# KiCad board pedalboard-hw.kicad_pcb (continued)
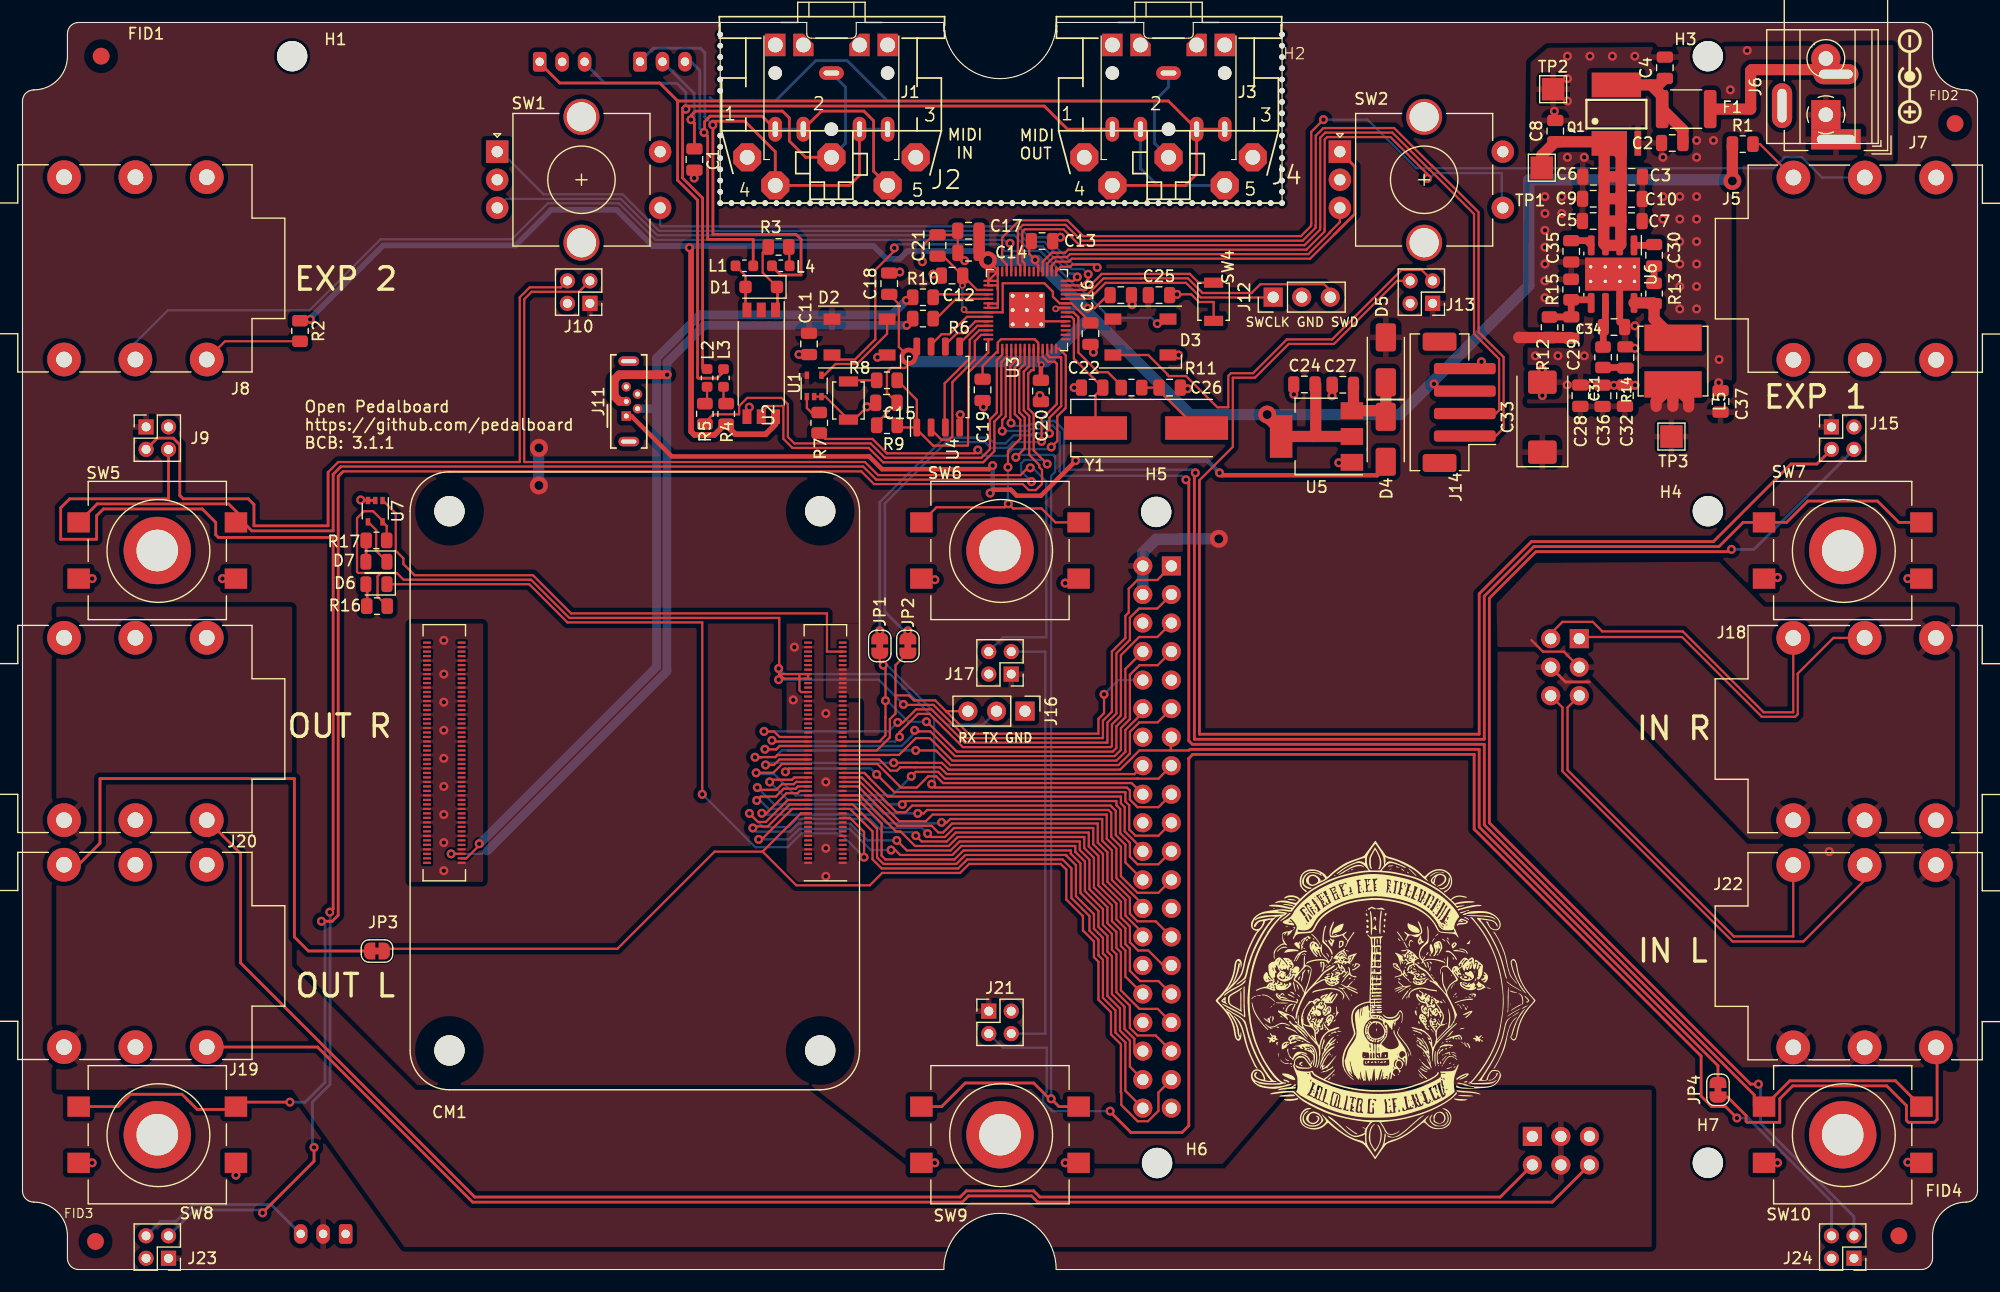
[diagram p0: board, top side]
## Routing (per net, layer and track width the routed paths; a pad name or vN(x,y) marks a point on that pad's centre or on a via; arc(x,y) is an arc through that point) (continued)
/Audio/in_L+: length 39.6
  Top w0.2: J27.45 137.51,50.03 137.51,44.46 152.32,29.65 157.6,29.65 J22.T
/Audio/in_L-: length 42.6
  Top w0.2: 163.95,34.65 158.5,29.2 152.2,29.2 137.06,44.34 137.06,50.03 J27.46
/Audio/in_R+: length 32
  Top w0.2: J18.T 157.6,49.6 154.97,49.6 147.77,56.8 140.6,56.8 139.75,57.65 137.06,57.65 136.01,56.61
/Audio/in_R-: length 33.3
  Top w0.2: 163.92,56.22 161.17,56.22 158,53.05 158,49.43 157.77,49.2 154.8,49.2 147.7,56.3 138.56,56.3
/Connectivity/USB2_N: length 78
  Top w0.2: CM1.103 39.5,36.6 40.65,37.75 v1(40.65,37.9)
  Bottom w0.77: 56.44,76.62 J11.2 ; 56.44,76.62 56.44,53.64 40.7,37.9 v1(40.65,37.9) ; 56.44,76.62 56.44,81.13 60.28,84.97 77.37,84.97 v1(78.66,86.26)
/Connectivity/USB2_P: length 84.6
  Top w0.2: CM1.105 v1(38.15,37)
  Top w0.77: J11.3 53.15,77.27 52.67,77.75 52.67,79.2 53.12,79.65 v1(57.38,79.65)
  Bottom w0.2: v1(38.15,37) 40.9,37 41.25,37.35
  Bottom w0.77: v1(78.7,84.05) 60.67,84.05 57.36,80.75 57.36,53.26 41.35,37.25
/LEDs/RGB_DATA: length 31.9
  Top w0.2: v1(85.03,72.95) 84.73,72.65 76.93,72.65 75.65,73.93 71.44,73.93 R7.1 ; U3.14 92.26,81.96 92.85,81.37 92.85,76.7 92.1,75.95 92.1,73.75 v1(91.56,73.21)
  Bottom w0.2: v1(85.03,72.95) 85.55,72.43 87.53,72.43 88.11,73.01 91.37,73.01 v1(91.56,73.21)
/MIDI/A_EXP1: length 93.3
  Top w0.2: v1(115.79,102.35) 114.7,101.26 114.7,93.12 114.69,93.11 114.69,92.89 113.78,91.98 94.41,91.98 93,93.39 88.73,93.39 87.19,91.85 87.19,89.86 87.6,89.45 U3.40
  Bottom w0.2: J5.R 160.16,97.2 158.36,99 156.83,99 155.85,98.02 124.04,98.02 119.71,102.35 v1(115.79,102.35)
/MIDI/A_EXP2: length 88.6
  Top w0.2: 88,91.35 U3.39
  Bottom w0.2: 88,91.35 87.66,91.35 87.36,91.65 56.33,91.65 53.08,94.9 46.76,94.9 43.56,91.7 31.87,91.7 25.54,85.37 12.93,85.37 10.05,82.49 J8.R
  vias: v1(87.89,91.35)
/MIDI/EXT_MIDI_RX: length 35.1
  Top w0.2: U3.3 87.6,81.26 87.11,80.78 87.11,76.1 86.5,75.48 86.5,72.85 85.5,71.85 76.6,71.85 75.32,73.13 68.53,73.13 67.72,73.94 67.72,76.86 66.32,76.86 65.75,76.29 U2.5
/MIDI/EXT_MIDI_TX: length 40.5
  Top w0.2: U3.2 87.2,81.43 86.72,80.95 86.72,76.27 86.1,75.65 86.1,73.02 85.33,72.25 76.76,72.25 75.48,73.53 68.7,73.53 68.12,74.11 68.12,77.03 67.57,77.58 64.5,77.58 63.78,76.86 63.78,76.12 61.47,76.12 60.6,75.25
/MIDI/I2C_SCL: length 81.5
  Top w0.2: U3.37 88.8,89.37 88.59,89.58 88.59,92.54 89.03,92.99 92.84,92.99 94.24,91.58 113.94,91.58 115.09,92.73 115.09,92.94 115.1,92.95 115.1,100.92 115.78,101.6 122.08,101.6 125.37,98.31 125.4,98.31 129.59,94.12 129.59,83.45 131.82,81.22 131.82,74.89 131.12,74.19 J14.1
/MIDI/I2C_SDA: length 78
  Top w0.2: J14.2 131.12,76.19 131.42,76.49 131.42,81.05 129.19,83.28 129.19,93.95 125.23,97.91 125.21,97.91 121.92,101.2 115.94,101.2 115.5,100.76 115.5,92.79 115.49,92.78 115.49,92.56 114.11,91.18 94.08,91.18 92.67,92.59 89.2,92.59 88.99,92.38 88.99,89.75 89.2,89.54 U3.36
/MIDI/QSPI_SCLK: length 4.7
  Top w0.2: 82.14,82.32 83.17,83.35 83.77,83.35 84.82,84.4 U3.52
/MIDI/QSPI_SD0: length 3.2
  Top w0.2: 83.41,82.42 84.98,84 U3.53
/MIDI/QSPI_SD1: length 13.2
  Top w0.2: 80.86,74.78 81.8,73.85 82.47,73.85 82.76,74.14 82.76,78.99 84.76,80.99 84.76,82.64 85.32,83.2 U3.55
/MIDI/QSPI_SD2: length 10.4
  Top w0.2: 82.07,75.31 82.07,78.87 84.31,81.1 84.31,82.76 85.15,83.6 U3.54
/MIDI/QSPI_SD3: length 6.1
  Top w0.2: 80.86,82.32 81.8,83.25 82.5,83.25 84.05,84.8 U3.51
/MIDI/QSPI_SS: length 21.8
  Top w0.2: R8.2 79.59,77.41 U4.1 78.05,74.95 ; 79.59,74.78 81.04,73.34 84.11,73.34 84.16,73.39 84.16,79.83 85.96,81.63 U3.56
/MIDI/ROT_GAIN_A: length 35.5
  Top w0.2: 116.79,92.16 114.6,89.98 93.4,89.98 93.13,89.71 91.94,89.71 91.6,89.37 U3.30
  Top w0.25: 116.79,92.16 118.57,93.95 118.57,98.17 SW2.A
/MIDI/ROT_GAIN_B: length 29.6
  Top w0.2: SW2.B 117.25,93.23 116.36,92.34 116.36,92.31 114.44,90.38 93.23,90.38 92.96,90.11 91.77,90.11 91.2,89.54 U3.31
/MIDI/ROT_VOL_A: length 59.8
  Top w0.2: v1(94.85,88.59) 94.85,88.17 94.29,87.6 U3.27
  Bottom w0.2: SW1.A 42.58,99.5 46.38,95.7 53.41,95.7 56.66,92.45 88.46,92.45 89.43,91.47 90.95,91.47 93.37,89.05 94.39,89.05 v1(94.85,88.59)
/MIDI/ROT_VOL_B: length 56
  Top w0.2: v1(93.88,88.35) 93.53,88 U3.28
  Bottom w0.2: SW1.B 43.05,95.3 53.25,95.3 56.5,92.05 88.29,92.05 89.27,91.07 90.78,91.07 93.2,88.65 93.58,88.65 v1(93.88,88.35)
/MIDI/SW_A: length 155.2
  Top w0.2: 28.27,70.78 28.54,71.04 74.66,71.04 75.79,69.91 89.03,69.91 89.56,69.38 90.19,69.38 90.74,69.93 90.74,71.17 90.5,71.41 90.5,71.61 89.6,72.51 89.6,75.98 89.11,76.47 89.11,79.92 89.6,80.41 U3.8
  Top w0.25: v1(23.8,14.9) 19.4,14.9 ; v1(26.61,31) 27.57,31 28.1,31.53 28.1,70.6 28.5,71 ; 18.75,14.25 15.55,14.25 14.2,15.6 9.6,15.6 8.5,14.5 SW8.1
  Bottom w0.25: v1(26.61,31) 26.93,30.68 26.93,16.67 25.16,14.9 v1(23.8,14.9)
/MIDI/SW_B: length 87.1
  Top w0.2: v1(88.41,72.3) 89.2,73.09 89.2,75.82 88.72,76.3 88.72,80.11 89.2,80.59 U3.7
  Top w0.25: SW9.1 81.8,14.5 83.9,16.6 90,16.6 91.47,15.12 v1(91.55,15.2) 92.25,14.5 SW9.1
  Bottom w0.2: v1(88.41,72.3) 88.62,72.51 91.75,72.51 91.9,72.36 91.9,71 91.55,70.65 v1(91.55,15.2)
/MIDI/SW_C: length 136.1
  Top w0.2: U3.4 88,81.1 87.52,80.61 87.52,75.93 87.2,75.62 v1(87.2,74.63)
  Top w0.25: SW10.1 166.7,16.8 157.3,16.8 SW10.1 ; 154.12,14.5 154.12,15.55 130.1,39.57 130.1,46.75 104.11,46.75 103.8,47.06 103.8,70.05 v1(103.55,70.3)
  Bottom w0.2: v1(103.55,70.3) 103.2,70.65 92.7,70.65 92.3,71.05 92.3,74.52 91.69,75.13 91.11,75.13 90.81,74.83 89.76,74.83 89.59,74.65 87.22,74.65 v1(87.2,74.63)
/MIDI/SW_D: length 109.1
  Top w0.2: U3.9 90,80.05 89.81,80.05 89.52,79.76 89.52,76.63 90,76.15 90,72.9 v1(91.2,71.7) ; v1(89.8,70.13) 89.62,70.31 75.98,70.31 74.82,71.47 28.34,71.47 27.65,70.79
  Top w0.25: 19.4,67.1 18.35,68.15 6.65,68.15 SW5.1 ; 19.33,66.83 20.41,65.75 27.65,65.75 27.65,70.79 28.31,71.45
  Bottom w0.2: v1(89.8,70.13) 88.89,71.04 88.89,71.77 89.18,72.06 90.84,72.06 v1(91.2,71.7)
/MIDI/SW_E: length 30
  Top w0.2: U3.6 88.8,80.76 88.31,80.27 88.31,76.14 88.8,75.65 88.8,73.95 87.71,72.86 v1(87.71,71.41) ; SW6.1 81.35,67.85 87.43,67.85 v1(87.74,68.16) 88.16,67.74 90.7,67.74 91.94,66.5 SW6.1
  Bottom w0.2: v1(87.71,71.41) 87.71,68.19 v1(87.74,68.16)
/MIDI/SW_F: length 132.6
  Top w0.2: U3.5 88.4,80.93 87.92,80.45 87.92,75.42 v1(87.98,75.35)
  Top w0.25: SW7.1 167,66.5 165.1,68.4 158.9,68.4 157,66.5 SW7.1 153.14,66.5 150.99,64.35 134.51,64.35 130.1,59.94 130.1,47.2 104.3,47.2 104.3,70.6
  Bottom w0.2: v1(104.39,70.91) 104.1,71.2 92.72,71.2 92.7,71.22 92.7,74.68 91.86,75.53 90.95,75.53 90.65,75.23 89.6,75.23 89.47,75.1 88.23,75.1 v1(87.98,75.35)
/MIDI/SW_GAIN: length 56.2
  Top w0.2: U3.32 90.8,89.7 91.61,90.51 92.8,90.51 93.07,90.78 114.27,90.78 115.89,92.4 115.89,92.61 115.9,92.62 115.9,100.59 116.11,100.8 121.75,100.8 125.03,97.52 v1(125.03,97.12)
  Bottom w0.2: v1(125.03,97.12) 125.25,97.12 125.73,97.59 131.66,97.59 131.66,94.59 SW2.S1
/MIDI/SW_VOL: length 46
  Top w0.2: U3.29 92.41,89.25 93.24,89.25 93.46,89.47 95.37,89.47 v1(95.65,89.19)
  Bottom w0.2: v1(95.65,89.19) 95.39,89.45 93.54,89.45 91.11,91.87 89.6,91.87 88.62,92.85 56.84,92.85 56.75,92.94 SW1.S1
/MIDI/SWCLK: length 19.6
  Top w0.2: U3.24 94.96,86.4 96.38,87.82 99.71,87.82 99.72,87.83 103.56,87.83 104.86,86.52 111.28,86.52 J12.1
/MIDI/SWD: length 25.8
  Top w0.2: J12.3 116.4,87.16 115.85,87.7 110.16,87.7 109.39,86.92 105.03,86.92 103.72,88.22 99.55,88.22 99.54,88.22 96.21,88.22 94.79,86.8 U3.25
/MIDI/XIN: length 11.9
  Top w0.2: U3.20 93.37,84.8 93.58,84.59 93.58,81.08 C22.1 95.5,77.85 Y1.1
/MIDI/XOUT: length 9.7
  Top w0.2: R11.1 97.79,78.68 96.6,79.87 95.73,79.87 93.97,81.62 93.97,84.76 93.54,85.2 U3.21
/MIDI/~{USB_BOOT}: length 2.6
  Top w0.2: SW3.2 73.61,79.15 R8.1
/Power Supply/fused: length 9.7
  Top w1: Q1.5-8 144.94,105.44 ; 144.94,105.44 145.93,104.45 ; 144.94,105.44 145.59,105.44 C4.1 ; F1.2 147.78,101.44 C2.1
/Power Supply/ored: length 8.2
  Top w1: D4.1 121.34,75.91 121.34,79.02 ; 118.8,76.45 121.5,76.45 ; C27.1 118.46,76.59 U5.3
/Power Supply/polarity_checked: length 32.4
  Top w1: 141.22,100.24 140.77,99.78 C6.1 ; 141.22,100.24 141.09,100.38 C8.1 135.22,99.18 TP1.1 ; 141.22,100.24 142.28,99.19 C3.1 ; C6.1 C3.1 ; C6.1 140.77,95.33 C9.1 ; C9.1 140.75,93.34 C5.1 ; C9.1 142.24,95.31 C10.1 ; C3.1 142.28,95.31 C10.1 ; C7.1 142.25,91.26 U6.2 140.88,91.16 140.74,91.31 C5.1 ; C7.1 142.24,93.33 C5.1 ; C7.1 142.26,93.33 C10.1
/Power Supply/switch: length 5.5
  Top w1: L5.1 145.21,84.62 R13.1 145.13,86.04 U6.8
/Power Supply/unfused: length 14.2
  Top w1: F1.1 153.81,103.29 153.81,106.71 153.9,106.8 161,106.8
Net-(C26-Pad1): length 6.3
  Top w0.2: Y1.2 101.15,78.25 ; C26.1 R11.2
Net-(C30-Pad1): length 1.5
  Top w0.6: C30.1 R13.2
Net-(C31-Pad1): length 2
  Top w0.2: 142.61,80.29 C31.1
  Top w0.6: R14.2 142.61,80.29
Net-(D1-A): length 4.2
  Top w0.2: D1.2 64.35,88.45 L1.2
  Top w0.25: 64.35,87.86 64.35,85.94
Net-(D1-K): length 5.6
  Top w0.2: 66.38,91.01 65.88,90.51 65.88,88.73 D1.1
  Top w0.25: 67.2,87.31 67.2,85.99
Net-(D2-DIN): length 8.7
  Top w0.2: D2.2 76.95,83.29 74.26,80.6 72.35,80.6 71.35,79.6 U1.4
Net-(D2-DOUT): length 40.7
  Top w0.2: D2.4 72.45,81 74.09,81 75.9,82.81 75.9,88.97 77.59,90.66 v1(77.59,90.93) ; v1(101,84.19) 101.41,84.6
  Bottom w0.2: v1(77.59,90.93) 77.91,91.25 79.33,91.25 79.33,91.25 86.83,91.25 87.43,90.65 89.39,90.65 89.41,90.67 90.58,90.67 93.18,88.07 93.18,88.06 93.72,87.52 93.97,87.52 96.78,84.71 100.48,84.71 v1(101,84.19)
Net-(D3-DOUT): length 37.5
  Top w0.2: J13.3 124.53,88.97 122.75,88.97 116.56,82.79 112.53,82.79 109.52,79.78 107.55,79.78 107.32,79.55 107.32,76.75 106.34,76.75 103.56,79.53 102.02,79.53 101.91,79.63 101.91,79.68 100.19,81.4 D3.4
Net-(D6-A): length 2
  Top w0.25: 30.68,60.7 30.68,58.66
Net-(D7-A): length 1.9
  Top w0.25: 30.59,64.8 30.59,62.92
Net-(D7-K): length 4.2
  Top w0.2: U7.4 31.48,65.82 31.48,63.96 D7.1
Net-(J5-PadT): length 4.8
  Top w0.2: R1.2 154.65,100.17 J5.T
Net-(J8-PadT): length 9
  Top w0.2: J8.T 18.03,82.63 R2.2
Net-(J10-Pin_3): length 88.3
  Top w0.2: v1(89.7,71.36) 89.47,71.36 88.82,70.71 76.15,70.71 74.98,71.88 44.66,71.88 44.66,86.37 45.31,87.03 49.53,87.03 J10.3
  Bottom w0.2: J17.4 87.27,56.27 91.12,56.27 91.12,70.13 89.9,71.36 v1(89.7,71.36)
Net-(J10-Pin_4): length 65.3
  Top w0.2: 27.2,70.97 28.1,71.88 44.26,71.88 44.26,86.54 45.15,87.42 47.92,87.42 J10.4
  Top w0.25: 27.2,70.97 27.2,66.2 20.6,66.2 20.6,68.1 20.1,68.6 14.3,68.6 14,68.9 14,73.41 13.41,74 12,74 J9.3
Net-(J13-Pin_4): length 126.4
  Top w0.2: 104.75,70.25 107.72,73.22 107.72,79.38 109.69,79.38 112.7,82.39 116.73,82.39 122.34,88 J13.4
  Top w0.25: 104.75,70.25 104.75,47.65 129.65,47.65 129.65,60.15 134.3,64.8 150.5,64.8 157.4,71.7 159.7,71.7 J15.3
Net-(J15-Pin_4): length 108.5
  Top w0.25: v1(154.5,16.5) 153.81,16.5 130.55,39.76 130.55,59.75 134.7,63.9 151.9,63.9 v1(152.1,64.1)
  Bottom w0.25: J15.4 154.1,64.1 v1(152.1,64.1) ; J24.3 163,4.7 154.7,13 154.7,16.3 v1(154.5,16.5)
Net-(J17-Pin_3): length 40.1
  Bottom w0.2: J17.3 91.04,55 91.04,21 J21.4
Net-(J21-Pin_3): length 140.6
  Top w0.25: v1(152.59,13.49) 151.58,14.5 150.33,14.5 149.4,15.43 149.4,19 129.2,39.2 129.2,45.85 104.15,45.85 103.8,45.5 103.8,12.8 103.2,12.2 98.65,12.2 96.8,14.05 v1(96.8,14.1)
  Bottom w0.2: v1(96.8,14.1) 91.66,14.1 90.85,14.91 90.85,15.49 91.15,15.79 91.15,19.75 87.25,19.75 J21.3
  Bottom w0.25: v1(152.59,13.49) 153.58,13.49 161,6.06 J24.4
Net-(J23-Pin_3): length 117.7
  Top w0.25: v1(21.37,5.05) 21.37,5.07 25.95,9.65 v1(25.95,10.87) ; v1(27.35,31.81) 27.65,32.11 27.65,65.16 17.44,65.16 17.2,65.4 17.2,66.5 16,67.7 7.2,67.7 6.6,67.1 6.6,65 3.4,65 3.4,67.8 4.2,68.6 13,68.6 J9.4
  Bottom w0.25: v1(21.37,5.05) 21.12,5.3 15.3,5.3 J23.3 ; v1(27.35,31.81) 27.38,31.78 27.38,16.48 25.8,14.9 25.8,11.02 v1(25.95,10.87)
Net-(J23-Pin_4): length 16
  Bottom w0.25: J23.4 12.29,4.29 13.66,4.29 15.14,5.78 22.16,5.78 J28.3
Net-(J25-Pin_1): length 61.7
  Top w0.25: J1.RN 74.49,97.39 73.6,96.5 J2.4 67,99.5 64.29,102.21 61.38,102.21 61.38,101.96 ; 61.38,101.96 61.38,101.94 v1(61.44,101.88) ; 61.38,101.96 61.45,101.89 61.45,92.14 68.85,92.14 69.29,91.7 69.29,88.53 67.48,88.53 66.67,89.34
  Bottom w0.25: J1.RN J1.R ; v1(61.44,101.88) 60.73,102.59 60.73,108.31 60.33,108.71 56.16,108.71 J25.1
Net-(J25-Pin_2): length 33.6
  Top w0.25: C1.1 59.8,102.05 v1(59.49,102.35) 59.56,102.42 59.56,102.77 59.89,103.11 67.64,103.11 68.25,102.5 68.25,100.45 69.7,99 J2.2
  Bottom w0.25: J1.S 73.25,105.24 73.25,100.25 J2.2 ; v1(59.49,102.35) 59.77,102.63 59.77,104.7 J25.2
Net-(J25-Pin_3): length 47
  Top w0.25: J1.T 65.83,102.66 61.19,102.66 60.71,102.18 60.71,101.58 ; L1.1 65.04,91.69 60.98,91.69 60.98,100.88 v1(60.66,101.21) ; J2.5 75.75,97.75 75.75,102.25 74.89,103.11 71.1,103.11 J1.TN
  Bottom w0.25: J1.T J1.TN ; v1(60.66,101.21) 60.28,101.58 60.28,106.73 59.5,107.51 J25.3
Net-(J26-Pin_1): length 103.6
  Top w0.25: J4.4 103.5,96.5 104.5,97.5 J3.RN ; 58.32,104.01 58.3,103.99 58.3,96.97 60.08,95.19 60.08,79.42 60.16,79.34 61.81,79.34 62.62,80.15 ; 58.32,104.01 56.72,105.61 47.81,105.61 46.03,107.39 ; 58.32,104.01 101.99,104.01 J3.RN ; J3.RN J3.R
Net-(J26-Pin_3): length 89.2
  Top w0.25: 58.94,103.56 58.75,103.37 58.75,97.15 60.53,95.37 60.53,80.22 60.6,80.15 ; 58.94,103.56 90.94,103.56 93,101.5 J3.T J3.TN ; 58.94,103.56 58.94,103.39 v1(59.04,103.29)
  Bottom w0.25: v1(59.04,103.29) 59.04,104.79 58.24,105.59 51.83,105.59 50.03,107.39 ; J3.TN 99.5,98 101,96.5 J4.5
Net-(J27-out_L): length 130.6
  Top w0.25: J27.52 136.15,6 90.36,6 89.81,6.55 84.19,6.55 83.64,6 40.06,6 26.26,19.8 J19.T
Net-(J27-out_R): length 139.2
  Top w0.25: 16.44,40 19.41,37.02 19.41,27.29 40.25,6.45 83.45,6.45 84,7 90,7 90.55,6.45 131.52,6.45 J27.48
Net-(JP1-B): length 39.3
  Top w0.2: U3.12 91.2,81.43 91.43,81.2 92.45,81.2 92.45,76.87 91.4,75.82 v1(91.4,74.43)
  Top w0.25: v1(76.3,56.85) 76.3,56.2
  Bottom w0.2: v1(91.4,74.43) 89.93,74.43 89.76,74.25 88.22,74.25 87.5,73.53 86.49,73.53 85.97,74.05 82.05,74.05 76.3,68.3
  Bottom w0.25: 76.3,68.3 v1(76.3,56.85)
Net-(JP2-B): length 39.4
  Top w0.2: U3.11 90.8,81.26 91.26,80.8 91.88,80.8 92.05,80.63 92.05,77.03 90.7,75.68 90.7,74.42 v1(90.7,73.71)
  Top w0.25: v1(78.8,56.85) 78.8,56.2
  Bottom w0.2: v1(90.7,73.71) 90.64,73.65 88.18,73.65 87.66,73.13 86.19,73.13 85.67,73.65 82.22,73.65 76.75,68.18 76.75,68.11
  Bottom w0.25: v1(78.8,56.85) 78.45,56.85 76.75,58.55 76.75,68.11
Net-(JP3-A): length 48.3
  Top w0.25: 3.7,36.2 5.15,36.2 6.9,37.95 6.9,43.7 24.2,43.7 24.2,29.6 25.45,28.35 JP3.1
Net-(JP4-A): length 31.8
  Top w0.25: 170.4,19.67 170.4,13.35 170.15,13.1 167.85,13.1 167.68,13.28 167.68,14.59 165.91,16.35 157.55,16.35 156.4,15.2 156.4,13.1 153.5,13.1 153.4,13.2 153.4,13.7 151.75,15.35 JP4.1
Net-(L2-Pad2): length 1.6
  Top w0.2: L2.2 60.93,77.27 R5.1
Net-(L3-Pad2): length 1.6
  Top w0.2: R4.2 62.39,77.31 L3.2
Net-(L4-Pad2): length 1.7
  Top w0.2: 68.2,91.01 68.25,90.97 68.25,89.34
Net-(U1-A): length 2.3
  Top w0.2: U1.1 69.81,76.68 70.21,76.28 R7.2
Net-(U3-RUN): length 14.1
  Top w0.2: U3.26 94.63,87.2 96.05,88.62 99.38,88.62 99.38,88.62 103.89,88.62 104.68,87.84 SW4.2
Net-(U3-USB_DM): length 4.9
  Top w0.2: U3.46 81.09,86.8
Net-(U3-USB_DP): length 5.4
  Top w0.2: 81.33,84.64 83.09,86.4 U3.47
Net-(U6-BST): length 1.8
  Top w0.2: 145.14,91.16 C30.2
  Top w0.6: U6.1 145.14,91.16
Net-(U6-COMP): length 4
  Top w0.2: 140.88,84.09 C34.1 ; 140.69,82.13 R14.1
  Top w0.6: C34.1 140.69,82.13 ; 140.88,86.04 140.88,84.09
Net-(U6-FB): length 5.4
  Top w0.2: 137.84,86.31 R15.1 ; 139.34,86.32 U6.5 ; 135.92,84.79 R12.2
  Top w0.6: 137.84,86.31 C29.2 135.92,84.79 ; R15.1 139.34,86.32
Net-(U6-SS): length 1.9
  Top w0.6: C35.1 139.2,91.58 U6.4

## Copper pours and planes (outline as drawn; the poured copper is in the pictures)
+5VP on Top: 71.5,57.5 74.5,57.5 74.5,50.85 71.5,50.85
+5VP on Top: 40.01,111 0,111 0.01,0.01 174.01,0.01 174.01,111.01 112,111.01 112,95 62,95 62,111.01
/Audio/GND_in_L on Top, Bottom: 139.8,52.15 137.15,55 131.27,55 131.25,40 153,18 172,18 172,37.9 153.5,37.9
/Audio/GND_in_R on Top, Bottom: 137.15,55 131.27,55 131.2,59.3 134.7,62.9 151,63 155,59 172,59 172,37.9 153.5,37.9 139.8,52.15 138,53
/Audio/GND_out on Top, Bottom: 34,2 24,16 3,16 3,59 24,59 24,27 35,16 70,16 79,9 107,9 113,16 145,16 145,2
GND on Top: 34.5,57.5 34.5,34.5 41,34.5 41,57.5
GND on Top: 68,57.5 68,34.5 74.5,34.5 74.5,50.5 71.5,50.5 71.5,57.5
GND on Top: 166.5,109 135.75,108.75 134.22,107.45 133.9,77.08 152.15,77.33 152.1,98.7 166.5,98.7
GND on Bottom: 0,111 0,0 174,0 174,111 112,111 112,95 62,95 62,111

## Text on the board
B.Silkscreen: Data out | +5V | GND | LED OUT | ${TITLE} / ${COMPANY} / BCB: ${REVISION} | OUT | IN | VREF | in | MIDI
F.Silkscreen: SWCLK GND SWD | RX TX GND | ${TITLE} / ${COMPANY} / BCB: ${REVISION} | MIDI / IN | MIDI / OUT | OUT R | EXP 2 | OUT L | IN R | IN L | EXP 1
